# Altium PCB Netscale48HD_Sensorbar_Master.PcbDoc (part 2 of 5) (continued)
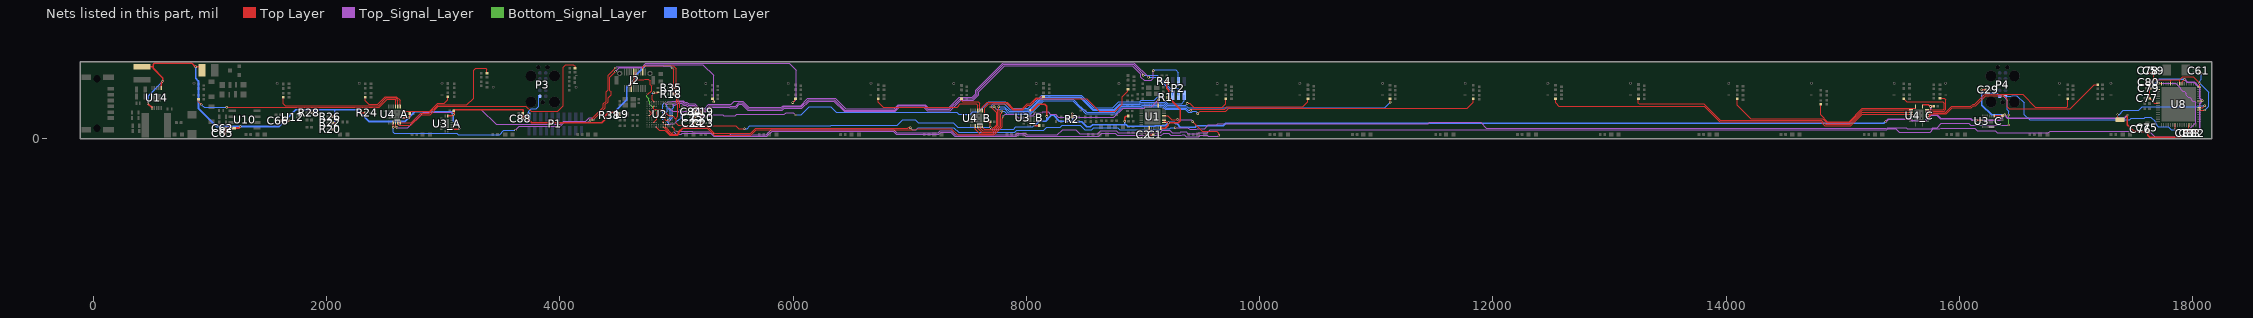
[diagram p6: the nets of this part, all layers, seen from the top]
## Via types (continued)

## Nets (pads, with @x,y where several pads share a name; then routed paths per layer and width w, separated by ;. In a path a pad name is that pad's centre, name@x,y a point inside that pad or via, vN(x,y) a via of type N, cw(c..) or ccw(c..) an arc to the next point about the centre after c; other vN are vias at no path point)
1V8: C59.2 C61.2 C77.2 C78.2 C79.2 C80.2 U8.8 U8.12 U8.24 U8.54 U8.64 | length 1343.5
  Top Layer w6: C61.2@18049.58,565.27 18053.64,561.21 v1(18073.1,561.21)
  Top Layer w10: C78.2@17618.56,565.27 C59.2@17664.49,565.27 17664.49,507.74 ; C77.2@17627.22,346.7 C77.2@17628.9,346.7 ; U8.24@17701.16,305.81 17670.08,305.81 17629.19,346.7 C77.2@17628.9,346.7 ; U8.12@17808.44,472.15 17808.44,507.74 ; U8.8@17887.18,472.15 17887.18,507.34 17887.57,507.74 ; U8.54@18053.52,246.75 v1(18102.77,246.75) ; U8.64@18053.52,443.61 18055.68,443.61 18057.45,445.38 v1(18057.45,475.41) 18001.48,531.38 17911.21,531.38 17887.57,507.74 ; C77.2@17628.9,346.7 17628.9,422.94 C79.2@17640.71,434.75 C80.2@17640.71,483.96 17642.68,483.96 17649.52,490.8 17649.52,492.77 17664.49,507.74 ; 17664.49,507.74 17808.44,507.74 ; 17808.44,507.74 17887.57,507.74
  Bottom Layer w6: v1(18073.1,561.21) 18073.1,510.51 18057.45,494.86 v1(18057.45,475.41) 18134.26,398.6 18134.26,278.25 v1(18102.77,246.75)
3V3: C19.2 C20.2 C23.2 C24.2 C25.2 C26.2 C28_A.2 C28_B.2 C28_C.2 C29.2 C30_A.2 C30_B.2 C30_C.2 C62.1 C65.2 C66.1 C73.1 C75.2 C76.2 C81.2 C82.2 C83.2 C84.2 C88.2 FB1.2 J2.7 J2.10 L9.1 L10.2 P1.1 P3.1 P4.1 R1.1 R2.1 R4.2 R18.2 R20.2 R22.2 R24.2 R26.2 R28.2 R35.2 R38.1 U1.16 U1.18 U1.19 U2.C4 U2.E2 U2.G2 U2.G11 U2.G12 U3_A.10 U3_A.16 U3_B.10 U3_B.16 U3_C.10 U3_C.16 U4_A.16 U4_B.16 U4_C.16 U8.7 U8.18 U8.45 U8.58 U10.8 U12.5 U14.1 U14.6 | length 25451.6
  Top Layer w8: U2.G2@4768.23,200 4788.6,220.37 ; U2.E2@4768.23,239.37 4786.34,221.26 4787.71,221.26 4788.6,220.37 ; U2.C4@4807.6,278.74 4807.02,278.16 4807.02,272.83 4804.85,270.66 4804.85,255.73 4808.18,252.41 ; v1(4965.42,607.37) 4965.42,604.2 4978.47,591.15 4978.47,446.39 4970.44,438.36 4968.85,438.36 4974.8,432.41 4974.8,383.59 4992.11,366.28 4997.02,366.28 5004.09,359.21 5004.09,308.93 5012.49,300.53 5012.49,193.86 4997.22,178.59 ; C24.2@5159.57,135.04 5157.6,135.04 5137.02,114.46 5015.68,114.46 4997.22,132.91 4997.22,178.59 ; C19.2@5210.75,230.32 C20.2@5210.75,182.28 C23.2@5210.75,135.04 5210.75,121.31 5217.77,114.29 5506.67,114.29 5533.5,87.47 v1(5582.74,87.47) ; 4788.6,220.37 4788.6,220.77 4808.18,240.35 4808.18,252.41 ; 4808.18,252.41 4879.06,252.41 4930.89,200.58 4944,200.58 4944.58,200 U2.G12@4965.08,200 4965.08,199.18 4971.11,193.15 4971.11,192.47 4984.98,178.59 4997.22,178.59
  Top Layer w10: R20.2@2051.04,82 R20.2@2051.26,81.78 ; v1@2071.97,81.78 v1(2072.18,81.57) ; C24.2@5159.57,135.04 C25.2@5159.57,182.28 5159.96,182.68 C84.2@5159.96,230.32 ; C84.2@5160.36,233.86 5163.9,230.32 C19.2@5210.75,230.32 ; C28_B.2@7690.73,146.79 C28_B.2@7690.9,146.62 ; C28_B.2@7691.07,146.46 C28_B.2@7690.9,146.62 ; v1(7692.54,99.61) 7691.8,100.35 7691.8,145.72 C28_B.2@7690.9,146.62 ; v1(17668.59,441.34) 17668.59,440.7 17685.37,423.92 U8.18@17701.16,423.92 ; U8.7@17906.86,472.15 17906.86,489.05 17928.45,510.63 v1(17928.83,510.63) ; U8.45@17965.92,119.79 17965.92,78.86 C83.2@17976.31,68.46 ; U8.58@18053.52,325.49 v1(18081.34,325.49)
  Top Layer w11.81: v1(469.42,304.51) 469.42,301.07 U14.6@504.65,265.84 ; U4_A.16@2660.29,179.13 v2(2704.04,179.13) 2711.86,186.96 C28_A.2@2711.86,216.78 ; U3_A.16@3039.32,194.88 3039.32,196.85 3076.98,196.85 3096.32,216.19 C30_A.2@3096.32,237.97 ; U3_A.10@3074.75,80.71 3131.32,80.71 v1(3138.61,88) ; C30_A.2@3091.49,241.14 3091.49,241.79 3098.04,248.34 3687.26,248.34 3687.26,219.5 C26.2@3684.34,216.58 ; C26.2@3684.15,216.78 C26.2@3684.34,216.58 ; C88.2@3684.93,171.99 3684.54,172.39 3684.54,194.39 ; R38.1@4428.47,221.26 4410.87,221.26 4384.48,194.87 4384.48,164.83 4358.04,138.39 3758.97,138.39 v1(3707.2,190.16) 3705.69,191.66 3687.26,191.66 3684.54,194.39 ; R38.1@4432.48,227.17 v1(4465.07,227.17) 4481.61,210.63 L9.1@4492.69,210.63 ; L9.1@4498.33,205.8 L9.1@4503.8,211.27 4503.8,215.22 L9.1@4509.84,221.26 ; J2.7@4614.17,431.1 4614.17,480.7 4637.63,504.16 4637.63,531.41 4633.86,535.19 J2.10@4633.86,572.83 ; U4_B.16@7650.45,147.13 7650.79,146.79 C28_B.2@7690.73,146.79 ; U3_B.16@8033.56,245 8048.62,245 8100.67,297.05 8156.33,297.05 8173.73,279.65 v2(8173.73,191.73) ; U3_B.10@8068.99,130.83 8069.55,130.83 8069.55,118.79 v1(8070.11,118.23) 8074.34,114 C30_B.2@8112,114 ; v1(8393.93,217.76) 8394.67,217.03 8394.67,188.13 R2.1@8395.4,187.4 ; v1(8843.8,150.79) 8845.31,152.29 8845.31,185.77 8854.54,195 FB1.2@8871.63,195 ; U1.16@9151.43,91.54 9190.38,91.54 9216.71,117.86 9216.71,137.08 9218.21,138.58 v1(9218.21,138.98) ; U1.19@9179.98,159.45 U1.18@9179.98,139.76 9180.37,140.16 9215.06,140.16 9216.24,138.98 v1(9218.21,138.98) ; R4.2@9202.62,492 9202.62,433.46 9220.58,415.51 9220.58,362.64 R1.1@9212.93,355 9217.27,355 9317.82,254.46 9317.82,153.74 9303.05,138.98 v1(9218.21,138.98) ; U4_C.16@15682.02,288.12 15687.58,293.68 15732.06,293.68 15748.45,277.29 v2(15751.11,277.29) 15752.23,278.41 15779.29,278.41 C28_C.2@15780.41,279.53 ; v2(16144.34,160) 16182.86,160 U3_C.16@16182.93,160.07 ; v1(16190.31,419.83) 16190.38,419.76 16220.26,419.76 16220.33,419.83 16220.47,419.69 C29.2@16225.61,419.69 ; U3_C.10@16297.1,195.5 16297.5,195.9 C30_C.2@16366,195.9 16370.73,200.62 16380.33,200.62 16384.43,204.72 v2(16387.1,204.72) ; v1(17439.06,204.33) 17439.06,122.58 17494.71,66.93 17552.13,66.93 C76.2@17554.98,64.08 17556.95,62.11 C75.2@17611.08,62.11 17613.05,62.11 17613.05,32.64 17630.37,15.32 17892.1,15.32 17941.31,64.53 C81.2@17941.31,66.5 C83.2@17976.31,66.5 ; C83.2@17976.31,68.46 C83.2@17976.31,66.5 ; v1(18057.17,66.93) 18010.64,66.93 C82.2@18010.21,66.5 C83.2@17976.31,66.5 ; C26.2@3684.34,216.58 3684.54,216.38 3684.54,194.39
  Top Layer w14: L10.2@418.24,617.55 514.36,617.55 ; U14.1@583.39,436.79 583.39,477.11 595.03,488.75 595.03,523.49 514.36,604.16 514.36,617.55 ; C73.1@932.93,617.55 v1(879.34,617.55) 875.66,617.55 846.4,646.81 524.3,646.81 514.36,636.87 514.36,617.55
  Top Layer w16: C73.1@932.93,588.27 C73.1@932.93,617.55 ; C65.2@1132.22,45.87 C62.1@1132.22,90.32 1132.79,89.75 1192.46,89.75 1192.63,89.92 U10.8@1192.63,90 1194.78,92.15 1247.14,92.15 v1(1260.08,105.09) ; C66.1@1605.62,157 1607.24,158.62 1674.47,158.62 U12.5@1674.74,158.89 ; v2(1646.06,158.92) U12.5@1674.74,158.89 ; R28.2@1876.44,218.9 1889.83,205.51 1904.38,205.51 v1(1905.09,204.8) ; R22.2@2051.04,136 v1(2072.69,136) ; R26.2@2051.04,190 v1(2072.69,190) ; R20.2@2051.26,81.78 v1@2071.97,81.78 ; v1(2291.69,221.9) R24.2@2326.23,221.9
  Top_Signal_Layer w11.81: v1(15365.64,148.08) 15387.29,169.73 15579.89,169.73 15594.38,155.24 15703.95,155.24 15751.66,202.95 ; v2(15751.11,277.29) 15751.66,276.74 15751.66,202.95 ; v1@17438.13,203.4 17412.61,177.88 16413.94,177.88 v2(16387.1,204.72) 16342.37,160 v2(16144.34,160) 16107.75,160 16095.77,171.98 15840.13,171.98 15809.16,202.95 15751.66,202.95 ; v1(17928.83,510.63) 17929.21,510.63 17952.62,487.22 18009.89,487.22 18057.45,439.65 18057.45,349.38 v1(18081.34,325.49) 18057.17,301.32 v1(18057.17,66.93)
  Bottom Layer w10: v1(3707.2,190.16) 3726.48,190.16 3731.61,185.03 3735.98,189.4 3735.98,236.25 3757.04,257.31 3787.46,257.31 3787.92,257.76 3796.7,257.76 3819.8,280.86 P3.1@3819.8,365.88 ; v1(5582.74,87.47) 5605.73,87.47 5629.12,110.86 6322.18,110.86 6328.8,117.48 6893.76,117.48 6941.2,164.92 7045.94,164.92 7074.19,136.67 7375.16,136.67 7412.23,99.61 v1(7692.54,99.61) 7692.54,82.61 7890.9,82.61 7910.53,102.23 8054.12,102.23 v1(8070.11,118.23) v1@8073.86,118.23
  Bottom Layer w11.81: v1(3088.1,207) 3088.1,156.28 3138.61,105.77 v1(3138.61,88) ; v1(4465.07,227.17) 4572.85,334.94 4572.85,440.85 v1(4616,484) 4651.44,519.44 4651.44,543.41 4665.77,557.75 4665.83,557.75 4734.21,626.13 4889.16,626.13 4891.07,624.22 4948.56,624.22 v1(4965.42,607.37) ; v1@8073.86,118.23 8108.52,152.89 8166.86,152.89 8215.15,201.18 8233.09,201.18 8283.38,150.89 8395.58,150.89 ; 8173.73,159.25 v2(8173.73,191.73) ; v1(8393.93,217.76) 8393.93,184.09 8395.58,182.44 8395.58,150.89 ; v1@8843.72,150.7 8843.72,123.23 8841.62,121.13 ; v1(15365.64,148.08) 15351.02,133.46 9708.85,133.46 9688.68,113.29 9457.61,113.29 9445.71,101.39 9320.54,101.39 9292.78,129.15 9282.27,129.15 9268.8,142.61 9239.35,142.61 9236.83,140.09 9219.72,140.09 9190.68,111.05 9137.71,111.05 9137.31,110.66 9105.47,110.66 9101.52,106.72 8870.91,106.72 8856.5,121.13 8841.62,121.13 ; v1(16190.31,419.83) 16190.31,390 ; P4.1@16343.79,364.96 16318.75,390 16190.31,390 ; v2(16387.1,204.72) 16275.31,204.72 16190.31,289.73 16190.31,390 ; v1(17668.59,441.34) 17669.16,441.91 17669.16,468.9 17710.89,510.63 v1(17928.83,510.63) ; 8395.58,150.89 8399.9,146.57 8473.3,146.57 8516.61,103.27 8549.37,103.27 8567.23,121.13 8841.62,121.13
  Bottom Layer w12: 2068.24,249.75 2072.69,245.3 v1(2072.69,190) v1(2072.69,136) ; v1(2072.18,81.57) v1@2072.18,135.49
  Bottom Layer w14: v1(469.42,304.51) 469.42,365.5 595.03,491.11 v1(595.03,493.94)
  Bottom Layer w16: v1(879.34,617.55) 879.34,517.53 901.57,495.3 901.57,261.54 1058.03,105.09 v1(1260.08,105.09) 1592.22,105.09 v2(1646.06,158.92) 1736.89,249.75 1902.57,249.75 ; v1(1905.09,204.8) 1905.09,247.23 1902.57,249.75 ; v1(3088.1,207) 3063.37,231.73 2756.64,231.73 v2(2704.04,179.13) 2672.21,147.31 2366.27,147.31 v1(2291.69,221.9) 2290.69,221.9 2262.83,249.75 2068.24,249.75 1902.57,249.75
ATMEL_EN: U2.M12 U8.16 | length 13976.8
  Top Layer w6: U2.M12@4965.08,101.58 4980.42,86.24 4980.42,79.73 v3(4994.43,65.72) ; v1(17706.29,475.41) 17727.92,475.41 17729.7,473.63 U8.16@17729.7,472.15
  Top_Signal_Layer w6: v3(4994.43,65.72) 5137.71,65.72 5140.93,62.51 5294.74,62.51 5309.16,48.09 5451.43,48.09 5466.51,33 5769.81,33 5815.05,78.24 6604.56,78.24 6605.3,78.98 6863.21,78.98 6889.54,52.65 7245.89,52.65 7263.27,70.02 7354.86,70.02 7391.92,32.97 7907.85,32.97 7923.47,48.58 7992.4,48.58 8008,32.98 8264.86,32.98 8311.81,79.94 8424.64,79.94 8459.7,44.87 8611.78,44.87 8637.52,70.61 8769.91,70.61 8787.98,52.54 9146.55,52.54 9166.44,72.43 9212.38,72.43 9212.48,72.32 9229.8,72.32 9249.4,52.72 9318.74,52.72 9324.72,58.7 9370.65,58.7 9384.59,44.76 9471.09,44.76 9478.86,52.54 9548.93,52.54 9575.29,78.89 13610.89,78.89 13611.18,78.61 15377.75,78.61 15383.71,84.57 15453.53,84.57 15481.33,56.78 15747.21,56.78 15775.24,84.8 15831.8,84.8 15838.23,91.24 16132.15,91.24 16152.88,70.51 16305.41,70.51 16324.22,51.7 16761.56,51.7 16776.36,66.5 17624.7,66.5 17674.2,17 17906.5,17 18026.01,136.51 18026.01,310.69 18016.17,320.53 17999.49,320.53 17988.51,331.51 17988.51,341.23 17971.72,358.02 17962,358.02 17945.2,374.82 17945.2,387.26 17925.32,407.14 17912.88,407.14 17896.08,423.93 17896.08,433.65 17854.33,475.41 v1(17706.29,475.41)
ATMEL_NRST: P4.10 U2.M8 U8.39 | length 13768.3
  Top Layer w6: U2.M8@4886.34,101.58 4886.93,101.58 4948.09,40.41 5007.05,40.41 5016.17,49.53 5016.17,59.35 5057.73,100.91 5272.01,100.91 5323.56,49.36 5638.12,49.36 5679.58,90.82 6983.69,90.82 6993.77,100.9 6998.42,100.9 v1(7003.26,96.06) ; v1(17847.22,79.81) 17847.22,119.2 U8.39@17847.81,119.79
  Top_Signal_Layer w6: v1(9274.91,95.28) 9384.59,95.28 9399.38,80.48 9456.29,80.48 9464.07,88.25 9529.14,88.25 9560.84,119.95 9631.98,119.95 9640.76,128.72 11447.19,128.72 11459.1,140.63 11894.66,140.63 11944.49,90.8 13615.82,90.8 13616.11,90.51 15372.82,90.51 15378.78,96.48 15542.33,96.48 15551.29,87.52 15761.12,87.52 15770.31,96.71 15806.76,96.71 15843.17,133.12 16078.78,133.12 16095.44,116.46 16418.91,116.46 v1(16420.95,118.5)
  Bottom_Signal_Layer w6: v1(16420.95,118.5) 16422.26,119.81 v1@16422.26,204.72
  Bottom Layer w6: v1(7003.26,96.06) 7022,77.32 7055.16,77.32 7074.19,96.35 7378.98,96.35 7418.54,56.8 7901.59,56.8 7917.19,72.39 8150.53,72.39 8175.73,97.59 8289.63,97.59 8307.69,115.65 8460.21,115.65 8499.31,76.55 8560.43,76.55 8578.3,94.42 8785.1,94.42 8799.52,80 9144.44,80 9148.78,84.34 9228.53,84.34 9239.47,95.28 v1(9274.91,95.28) ; P4.10@16393.79,364.96 16393.79,341.59 16406.67,328.7 16406.67,250.27 16420.95,235.99 v1(16420.95,204.72) ; P4.10@16403.34,364.96 16440.08,364.96 16445.74,370.62 16491.85,370.62 16553.46,309 16553.46,207.92 16599.61,161.77 17456.84,161.77 17472.82,177.75 17584.85,177.75 17593.87,186.76 17640.56,186.76 17677.05,150.28 17677.05,141.45 17692.39,126.11 17692.39,116.44 17703.37,105.45 17789.63,105.45 17815.27,79.81 v1(17847.22,79.81)
B11_A: C31_A.1 U4_A.4 | length 1820.7
  Top Layer w6: C31_A.1@902.18,340.19 902.18,320.02 925.59,296.61 v1(925.59,293.7) ; v1(1143.88,271.6) 2452.77,271.6 2519.38,338.22 2588.43,338.22 2594.4,332.25 2594.4,278.59 U4_A.4@2592.38,276.58
  Bottom Layer w6: v1(925.59,293.7) 928.5,293.7 950.59,271.6 v1(1143.88,271.6)
B11_B: C31_B.1 U4_B.4 | length 957.2
  Top Layer w6: C31_B.1@6730.16,341.86 6730.16,315.17 6773.76,271.58 7406.86,271.58 7435.29,300.02 7570.19,300.02 7582.66,287.54 7582.66,262.83 7582.54,262.7 U4_B.4@7582.54,244.57
B11_C: C31_C.1 U4_C.4 | length 3203.5
  Top Layer w6: C31_C.1@12536.71,343.01 12536.71,308.62 12565.06,280.26 13809.41,280.26 13942.12,147.55 14810.87,147.55 14845.82,112.6 15067.2,112.6 15163.97,209.38 U4_C.4@15584.55,209.38
B12_A: C37_A.1 U4_A.3 | length 1136.1
  Top Layer w6: C37_A.1@1628.74,355.89 1628.74,300.25 1645.48,283.51 2447.83,283.51 2514.45,350.12 2593.36,350.12 2612.07,331.42 U4_A.3@2612.07,276.58
B12_B: C37_B.1 U4_B.3 | length 240.8
  Top Layer w6: C37_B.1@7444.74,341.98 7444.74,327.05 7453.02,318.77 7586.42,318.77 7602.22,302.97 U4_B.3@7602.22,244.57
B12_C: C37_C.1 U4_C.3 | length 2493
  Top Layer w6: C37_C.1@13247.61,343.01 13246.77,342.17 13246.77,307.08 13254.77,299.08 13807.42,299.08 13947.05,159.45 14815.8,159.45 14850.75,124.51 15062.27,124.51 15166.82,229.06 U4_C.3@15584.55,229.06
B13_A: C32_A.1 U4_A.2 | length 438.1
  Top Layer w6: C32_A.1@2331.35,355.89 2331.35,325.34 2361.28,295.42 2438.21,295.42 2504.82,362.03 2599.08,362.03 2631.75,329.35 2631.75,279.34 2632.73,278.35 2631.75,277.37 U4_A.2@2631.75,276.58
B13_B: C32_B.1 U4_B.2 | length 633.6
  Top Layer w6: U4_B.2@7621.91,244.57 7621.91,271.05 7664.51,313.65 7835.28,313.65 7889.24,259.69 7964.58,259.69 8006.32,301.43 8033.04,301.43 8085.46,353.86 8116.31,353.86 8123.94,361.49 C32_B.1@8146.91,361.49
B13_C: C32_C.1 U4_C.2 | length 1654.6
  Top Layer w6: C32_C.1@14094.35,343.01 14094.35,287.84 14210.82,171.36 14825.05,171.36 14859.99,136.41 15057.33,136.41 15169.67,248.75 U4_C.2@15584.55,248.75
B14_A: C39_A.1 U4_A.1 | length 445
  Top Layer w6: U4_A.1@2660.29,238.19 2885.77,238.19 2952.8,305.21 3008.61,305.21 3039.37,335.98 C39_A.1@3039.37,361.37
B14_B: C39_B.1 U4_B.1 | length 1539.3
  Top Layer w6: U4_B.1@7650.45,206.18 7645.2,206.18 7642.69,208.69 7642.69,265.03 7679.4,301.75 7830.35,301.75 7884.31,247.79 7969.51,247.79 8011.26,289.53 8038.53,289.53 8090.96,341.95 8212.41,341.95 8212.97,342.51 8518.96,342.51 8625.41,236.06 8760.17,236.06 8820.36,296.26 8820.36,358.77 8870.45,408.85 8870.45,425 C39_B.1@8871.63,425
B14_C: C39_C.1 U4_C.1 | length 992.5
  Top Layer w6: C39_C.1@14810.97,294.79 14810.97,204.61 14867.25,148.32 15052.4,148.32 15167.64,263.56 15620.42,263.56 15622.93,266.07 U4_C.1@15622.93,277.29 U4_C.1@15622.93,284.29
B15_A: C46_A.1 U4_A.15 | length 1115.5
  Top Layer w6: U4_A.15@2631.75,136.81 2728.14,136.81 2810.09,218.76 2883.18,218.76 2957.73,293.31 3204.54,293.31 3260.69,349.46 3260.69,589.07 3277.92,606.3 3364.14,606.3 3375.95,594.49 C46_A.1@3375.95,562.87
B15_B: C46_B.1 U4_B.15 | length 2579.1
  Top Layer w6: U4_B.15@7621.91,108.74 7621.91,97.52 7638.84,80.59 7703.13,80.59 7744.46,121.91 7744.46,224.62 v1@7692.54,276.53 ; v2(9379.63,303.15) 9399.89,303.15 9433.36,269.69 9678.45,269.69 9707.96,299.2 9707.96,342.67 C46_B.1@9708.55,342.67
  Bottom Layer w6: v1@7692.54,277.14 7714.4,298.99 7812.14,298.99 7861.07,250.06 8023,250.06 8135.15,362.21 8464.74,362.21 8571.89,255.06 8753.98,255.06 8801.35,302.43 8973.05,302.43 8982.16,311.54 9183.97,311.54 9207.47,288.05 9364.53,288.05 v2(9379.63,303.15)
  other v1: 7692.54,273.42
B15_C: C46_C.1 U4_C.15 | length 564.6
  Top Layer w6: C46_C.1@15521.17,342.23 15522.35,342.23 15546.56,318.02 15856.79,318.02 15869.61,305.2 15869.61,257.16 15861.99,249.54 15721.17,249.54 U4_C.15@15720.37,248.75
B16_A: C53_A.1 U4_A.14 | length 2004.9
  Top Layer w6: U4_A.14@2612.07,140.75 2614.58,138.24 2614.58,123.08 2622.55,115.11 2723.28,115.11 2815.02,206.85 2888.11,206.85 2960.25,278.99 3710.16,278.99 3753.41,235.75 3982.5,235.75 4028.46,281.7 4028.46,611.73 4051.19,634.46 4116.92,634.46 4130.94,620.44 C53_A.1@4130.94,604.01
B16_B: C53_B.1 U4_B.14 | length 3271.5
  Top Layer w6: U4_B.14@7602.22,102.97 7604.73,100.46 7604.73,91.08 7627.13,68.68 7708.07,68.68 7756.37,116.98 7756.37,240.62 v2(7722.57,274.41) ; v1(9410.34,245.67) 9419.12,254.46 9699.27,254.46 9718,273.19 10370.23,273.19 10413.37,316.33 C53_B.1@10413.37,343.01
  Bottom Layer w6: v2(7722.57,274.41) 7742.31,254.68 7777.27,254.68 7780.52,257.92 7796.86,257.92 7797.35,257.43 7813.25,257.43 7846.53,224.16 8030.77,224.16 8145.01,338.4 8400.85,338.4 8462.45,276.8 8465.75,276.8 8515.52,227.03 8759.62,227.03 8811.22,278.62 8982.92,278.62 8992.03,287.73 9174.11,287.73 9197.61,264.24 9368.81,264.24 9387.38,245.67 v1(9410.34,245.67)
B16_C: C53_C.1 U4_C.14 | length 296.7
  Top Layer w6: U4_C.14@15720.37,229.06 15722.88,231.58 15745.68,231.58 15751.74,237.64 15866.93,237.64 15881.52,252.23 15881.52,335.1 15869.9,346.72 C53_C.1@15843.21,346.72
B17_A: C60_A.1 U4_A.13 | length 3547.6
  Top Layer w6: U4_A.13@2592.54,136.85 2592.54,105.39 v2@2604.19,93.74 ; v1(4287.51,161.1) 4287.51,161.63 4391.55,265.67 4391.55,297.45 4413.7,319.61 4413.7,350.32 4439.33,375.95 4439.33,404.48 4430.44,413.37 4430.44,529.42 v1(4477.67,576.65) ; C60_A.1@5308.8,341.82 5318.11,332.51 v2(5318.11,315.98) v2@5318.11,314.68
  Top_Signal_Layer w6: v2@2604.19,93.74 2698.77,93.74 2831.77,226.73 3073.51,226.73 3100.6,253.83 3324.28,253.83 3454.43,123.68 4003.64,123.68 4032.48,152.51 4224.33,152.51 4252.57,180.76 4268.92,180.76 4287.51,162.16 v1(4287.51,161.1) ; v1(4477.67,576.65) 4508.39,607.37 4715.43,607.37 4742.52,634.46 5227.49,634.46 5318.11,543.84 v2(5318.11,315.98) v2@5318.11,314.68
  other v2: 2604.19,99
B17_B: C60_B.1 U4_B.13 | length 3954.1
  Top Layer w6: U4_B.13@7582.69,108.78 7585.21,106.27 7585.21,90.92 7619.35,56.78 7713,56.78 7768.27,112.05 7768.27,245.55 7763.1,250.72 v2(7763.1,274.41) v2@7763.1,276.99 ; v2(11118.24,315.33) C60_B.1@11118.24,343.01
  Bottom Layer w6: v2@7763.25,277.14 7810.39,277.14 7851.46,236.06 8025.84,236.06 8140.08,350.31 8459.81,350.31 8566.95,243.16 8758.92,243.16 8806.28,290.53 8977.98,290.53 8987.09,299.64 9179.04,299.64 9202.54,276.14 9377.94,276.14 9386.73,267.36 11070.27,267.36 v2(11118.24,315.33)
B17_C: C60_C.1 U4_C.13 | length 1375.7
  Top Layer w6: 15737.07,208.33 15739.27,208.33 15756.67,225.73 15878.88,225.73 15932.1,278.95 16097.25,278.95 16115.46,297.17 16129.89,297.17 16215.25,382.52 16539.58,382.52 16650.89,271.21 16918.17,271.21 16928.16,281.2 C60_C.1@16928.16,343.37
B18_A: C67_A.1 U4_A.12 | length 4293
  Top Layer w6: v2@2572.2,98.51 2572.2,140.26 U4_A.12@2572.7,140.75 ; v2(4260.74,161.02) 4372.58,272.86 4372.58,298.94 4396.93,323.3 4396.93,403.54 4414.62,421.24 4414.62,544.32 4463.97,593.67 v1(4477.67,607.37) ; v2(5996.96,311.02) 6012.7,326.77 C67_A.1@6012.7,334.12 ; C67_A.1@6012.7,339.12 6012.7,340.3 6020.33,347.93 C67_A.1@6021.51,347.93
  Top_Signal_Layer w6: v1@3615.56,79.57 3623.66,79.57 3652.84,108.76 4005.56,108.76 4037.41,140.61 4240.33,140.61 v2(4260.74,161.02) ; v1(4477.67,607.37) 4490.11,619.8 4711.03,619.8 4737.59,646.37 5968.14,646.37 6025.39,589.12 6025.39,339.45 v2(5996.96,311.02)
  Bottom Layer w6: v2@2571.71,97.03 2571.71,55.03 2579.99,46.75 2846.9,46.75 2848.88,48.73 3116.12,48.73 3127.68,37.17 3484.07,37.17 3521.85,74.94 v1(3620.19,74.94)
  other v2: 2571.71,99
B18_B: C67_B.1 U4_B.12 | length 4694.8
  Top Layer w6: U4_B.12@7562.85,108.74 7562.85,81.97 7599.95,44.87 7717.93,44.87 7780.59,107.53 7780.59,213.16 7788.69,221.26 v2(7788.69,238.19) ; v2(9469,215.35) 9469,217.46 9489.73,238.19 9711.17,238.19 9734.26,261.28 11777.49,261.28 11831.53,315.33 C67_B.1@11831.53,342.01
  Bottom Layer w6: v2(7788.69,238.19) 7809.73,238.19 7837.51,210.41 8033.85,210.41 8149.94,326.5 8395.92,326.5 8457.52,264.9 8460.81,264.9 8510.59,215.12 8764.55,215.12 8816.15,266.72 8987.85,266.72 8996.96,275.83 9169.18,275.83 9192.68,252.33 9363.71,252.33 9389.12,226.92 9418.1,226.92 9426.07,234.89 9449.99,234.89 9469,215.88 v2(9469,215.35)
B18_C: C67_C.1 U4_C.12 | length 1691.6
  Top Layer w6: U4_C.12@15737.07,189.69 15737.47,189.69 15761.6,213.83 15883.82,213.83 15937.04,267.05 16102.18,267.05 16120.39,285.26 16140.19,285.26 16225.55,370.62 16378.94,370.62 16408.75,340.8 16408.75,275.76 16425.21,259.31 16949.68,259.31 17152.98,462.61 C67_C.1@17185.29,462.61
BG: C1.2 C2.2 U1.11 | length 123
  Top Layer w5.91: C2.2@9033.33,35.43 9051.63,35.43 ; 9051.63,65.65 9051.63,35.43 ; C1.2@9086.87,34.89 9086.32,35.43 9051.63,35.43
  Top Layer w6: C2.2@9020.73,35.43 C2.2@9027.81,35.43 C2.2@9033.33,35.43 ; 9051.63,65.65 9051.63,90.16 U1.11@9053.01,91.54
Boot: R5.1 U2.A4 | length 133.4
  Top Layer w6: v3(4786.73,380.71) 4792.68,374.76 4792.68,333.03 U2.A4@4807.6,318.11 ; v1(4806.41,394.49) 4838.7,394.49 R5.1@4841.85,397.64
  Bottom Layer w6: v3(4786.73,380.71) 4797.89,391.87 4803.79,391.87 v1(4806.41,394.49)
CLK_A: U1.26 U2.M5 | length 4710.3
  Top Layer w6: U2.M5@4827.29,101.58 4827.97,101.58 4827.97,100.9 4853.83,75.03 4900.54,75.03 4944.3,31.26 5010.84,31.26 5025.32,45.74 5025.32,55.56 5058.76,89.01 5265.72,89.01 5323.33,31.39 5636.99,31.39 5682.91,77.32 7050,77.32 7060.52,87.84 7357.2,87.84 7412.07,32.97 7722.86,32.97 7792.5,102.6 7792.5,172.65 7796.77,176.92 7796.77,188.95 v1(7799.38,191.57) ; U1.26@9131.75,286.42 v2@9131.75,326.77
  Top_Signal_Layer w6: v1(7799.38,191.57) 7817.21,209.39 7898.99,209.39 7928.72,179.66 8012.38,179.66 8029.22,196.5 8053.05,196.5 8080.7,224.16 8099.19,224.16 8134.45,224.16 8141.14,230.85 8186.04,230.85 8206.71,210.18 8250.38,210.18 8273.45,187.11 8478.91,187.11 8482.09,183.93 8750.35,183.93 8830.27,263.85 9008.49,263.85 9020.47,275.83 9072.83,275.83 v2(9131.57,334.58)
CLK_B: J2.12 U2.K4 | length 623
  Top Layer w6: J2.12@4653.54,572.83 4653.54,521.78 4667.69,507.63 4721.32,507.63 4726.56,512.87 4759.64,512.87 4776.53,495.99 4776.53,462.85 4786.34,453.03 4786.34,413.19 4755.44,382.29 v3(4745.38,382.29) ; U2.K4@4807.6,140.95 4832.88,166.23 v3(4832.88,238.53)
  Bottom_Signal_Layer w6: v3(4745.38,382.29) 4745.38,361.3 4762.21,344.46 4762.21,324.45 4771.77,314.89 4771.77,298.34 4779.85,290.26 4779.85,289.02 4795.11,273.76 4795.11,267.42 4811.2,251.34 4820.08,251.34 v3(4832.88,238.53)
CS_A: U1.21 U2.M9 | length 5472.5
  Top Layer w6: U2.M9@4906.03,101.58 4930.32,77.28 4930.32,72.89 4953.66,49.56 4966.11,49.56 4975.3,58.75 v3(4976.34,58.75) ; U1.21@9179.98,198.82 9211.91,198.82 9248.02,162.71 9292.07,162.71 9296.17,166.8 v1(9296.17,168.5) ; v1@9426.14,146.85 9506.74,66.25 9631,66.25 9648.09,49.16 9648.09,32.72 v1(9650.5,30.32)
  Top_Signal_Layer w6: v3(4976.34,58.75) 4996.53,38.56 5041.22,38.56 5050.64,47.98 5292.43,47.98 5319.31,21.1 5774.75,21.1 5819.98,66.33 6609.49,66.33 6610.23,67.07 6858.28,67.07 6884.61,40.74 7250.82,40.74 7268.2,58.12 7349.93,58.12 7386.99,21.06 7912.78,21.06 7928.4,36.68 7977.44,36.68 7993.06,21.06 8621.65,21.06 8647.38,46.8 8760.04,46.8 8778.12,28.72 9156.41,28.72 9176.3,48.62 9202.51,48.62 9202.73,48.4 9220.04,48.4 9239.54,28.91 9328.6,28.91 9334.59,34.89 9355.11,34.89 9371.38,18.63 9479.7,18.63 9489.8,28.72 9549.86,28.72 9557.38,21.21 9641.39,21.21 v1(9650.5,30.32) ; v1(9296.17,168.5) 9303.02,161.65 9412.08,161.65 v1(9426.87,146.85)
CS_B: J2.18 U2.L9 | length 968.6
  Top Layer w6: J2.18@4712.6,572.83 4712.6,616.06 4722.65,626.11 4973.18,626.11 4997.22,602.08 4997.22,386.77 5017.43,366.56 5017.43,319.81 5028.32,308.93 v3(5028.32,259.97) ; v3(4895.71,131.1) 4895.95,131.1 4905.79,121.26 U2.L9@4906.03,121.26
  Top_Signal_Layer w6: v3(4895.71,131.1) 4897.07,132.46 4900.73,128.8 4903.69,125.84 4947.49,125.84 4952.75,131.1 4975.26,131.1 4976.94,129.42 4980.57,129.42 v3(4981.3,128.68)
  Bottom Layer w6: v3(4981.3,128.68) 5010.15,157.52 5016.9,157.52 5041.74,182.37 5041.74,230.81 5027.67,244.88 v3@5027.67,259.05
DEBUGCTS: P2.4 U2.J11 | length 5014
  Top Layer w6: v3(4936.19,151.57) 4936.26,151.57 U2.J11@4945.4,160.63 U2.J11@4945.4,160.63
  Top_Signal_Layer w6: v3(4978,304.71) 4979.04,304.71 4984.55,310.22 4999.14,310.22 5004.74,315.82 5052.31,315.82 5066.32,301.81 5084.2,301.81 5099.98,286.04 5153.67,286.04 5188.38,251.33 5251.97,251.33 5284.94,284.29 5458.97,284.29 5463.03,280.23 5507.34,280.23 5535.72,308.61 5564.53,308.61 5616.1,257.03 5904.41,257.03 5920.33,272.94 6070.17,272.94 6132.53,335.31 6353.81,335.31 6442.86,246.26 6870.65,246.26 6906.37,281.98 7127.08,281.98 7154.42,254.63 7340.89,254.63 7431.07,344.81 7541.49,344.81 7578.53,381.85 7578.53,410.54 7808.19,640.21 8914.24,640.21 9002.66,551.79 v2(9002.66,543.83)
  Bottom Layer w6: v3(4936.19,151.57) 4936.81,151.57 4966.21,180.96 4966.21,239.43 4962.31,243.32 4962.31,256.92 4977.27,271.87 4977.27,303.98 v3(4978,304.71) ; v2(9002.66,543.83) 9005.02,546.19 9121.05,546.19 9234.24,433 9300.31,433 9303.82,429.49 P2.4@9303.82,373.95
DEBUGRTS: P2.2 U2.J10 | length 4998.6
  Top Layer w6: v3(4914.24,197.98) 4914.24,197.3 4903.05,186.11 4903.05,164.09 4909.71,157.43 4921.16,157.43 4924.35,160.63 U2.J10@4925.71,160.63
  Top_Signal_Layer w6: v3(4915.86,308.66) 4918.76,308.66 4928.56,318.46 4961.09,318.46 4964.76,322.13 4994.21,322.13 4999.81,327.73 5057.24,327.73 5071.25,313.72 5089.14,313.72 5103.88,298.98 5157.57,298.98 5192.68,263.87 5245.72,263.87 5278.04,296.2 5470.29,296.2 5494.6,320.51 5569.46,320.51 5621.04,268.94 5899.48,268.94 5915.39,284.85 6065.24,284.85 6127.6,347.21 6362.9,347.21 6451.95,258.17 6865.72,258.17 6901.44,293.88 7132.08,293.88 7159.42,266.54 7335.96,266.54 7426.14,356.72 7536.56,356.72 7566.15,386.3 7566.15,415 7803.26,652.12 8922.28,652.12 9047.37,527.03 v2(9047.37,526.46)
  Bottom Layer w6: v3(4914.24,197.98) 4914.24,230 4922,237.76 4922,269.62 4915.86,275.76 v3(4915.86,308.66) ; v2(9047.37,526.46) 9122.19,526.46 9253.82,394.82 P2.2@9253.82,373.95
DEBUGRX: P2.3 U2.K8 | length 5183.7
  Top Layer w6: v3(4881.22,158.22) 4881.22,157.18 4885.38,153.02 4885.38,141.91 U2.K8@4886.34,140.95 ; v3@4895.78,308.36 4895.88,308.27 v3(4896.17,308.27)
  Top_Signal_Layer w6: v3(4896.17,308.27) 4896.44,308.27 4909.87,294.83 4921.77,294.83 4929.03,302.09 4961.05,302.09 4973.81,289.34 4984.62,289.34 4985.54,290.26 4996.01,290.26 5009.67,303.91 5047.38,303.91 5061.39,289.91 5079.27,289.91 5095.05,274.13 5147.02,274.13 5182.57,238.58 5256.06,238.58 5289.87,272.39 5454.04,272.39 5458.1,268.32 5512.28,268.32 5540.65,296.7 5558.08,296.7 5609.66,245.13 5909.35,245.13 5925.26,261.04 6075.1,261.04 6137.47,323.4 6348.88,323.4 6437.93,234.35 6875.59,234.35 6911.3,270.07 7122.15,270.07 7149.49,242.72 7345.82,242.72 7436,332.91 7546.42,332.91 7590.43,376.91 7590.43,405.61 7813.12,628.3 8905.76,628.3 8982.27,551.79 8982.27,529.39 9011.31,500.35 9069.19,500.35 9086.87,518.02 v2(9086.87,585)
  Bottom Layer w6: v3(4881.22,158.22) 4881.22,166.99 4886.78,172.54 4886.78,216.44 4882.43,220.79 4882.43,294.35 4896.17,308.1 v3(4896.17,308.27) ; v2(9086.87,585) 9093.78,591.91 9279.09,591.91 9303.82,567.18 P2.3@9303.82,492.06
DEBUGTX: P2.6 U2.L10 | length 5008.9
  Top Layer w6: U2.L10@4925.71,121.26 4925.95,121.26 v3(4935.21,112)
  Top_Signal_Layer w6: v3(4935.84,268.71) 4935.84,268.31 4968.92,235.22 4981.99,235.22 4983.34,236.57 5015.32,236.57 5017.66,234.23 5060.96,234.23 5065.14,238.42 5132.23,238.42 5171.77,198.87 5306.51,198.87 5313.58,205.94 5399.18,205.94 5405.95,199.17 5506.33,199.17 5516.35,209.2 5923.93,209.2 5940.05,225.32 6001.31,225.32 v1@6021.51,205.12
  Bottom Layer w6: v3(4935.21,112) 4935.21,133 4922.36,145.84 4922.36,157.3 4945.64,180.58 4945.64,242.88 4935.84,252.69 v3(4935.84,268.71) ; v1@6021.51,205.12 6069.94,205.12 6140.61,275.78 6324.74,275.78 6372.18,228.34 7404.21,228.34 7422.14,210.41 7518.4,210.41 7541.17,233.18 7593.21,233.18 7679.33,319.3 7817.19,319.3 7874.53,261.97 8018.07,261.97 8130.22,374.12 8469.67,374.12 8576.82,266.97 8742.33,266.97 8793.73,318.37 8972.15,318.37 8984.84,331.05 9094.37,331.05 9125.53,362.21 9150.14,362.21 9212.4,299.95 9330.95,299.95 9355.38,324.38 9355.38,372.39 P2.6@9353.82,373.95
  other v1: 6021.51,204.13
ERASE: P5.1 U8.55 | length 891.2
  Top Layer w6: v1(17354.01,207.92) 17354.01,183.76 P5.1@17375.73,162.04 ; U8.55@18053.52,266.44 18085.74,266.44 v1(18102.77,283.46)
  Bottom Layer w6: v1(17354.01,207.92) 17368.52,207.92 17404.95,244.34 17534.12,244.34 17564.79,275 18048.93,275 18057.39,283.46 v1(18102.77,283.46)